# Allegro board STANDARD.brd (continued)
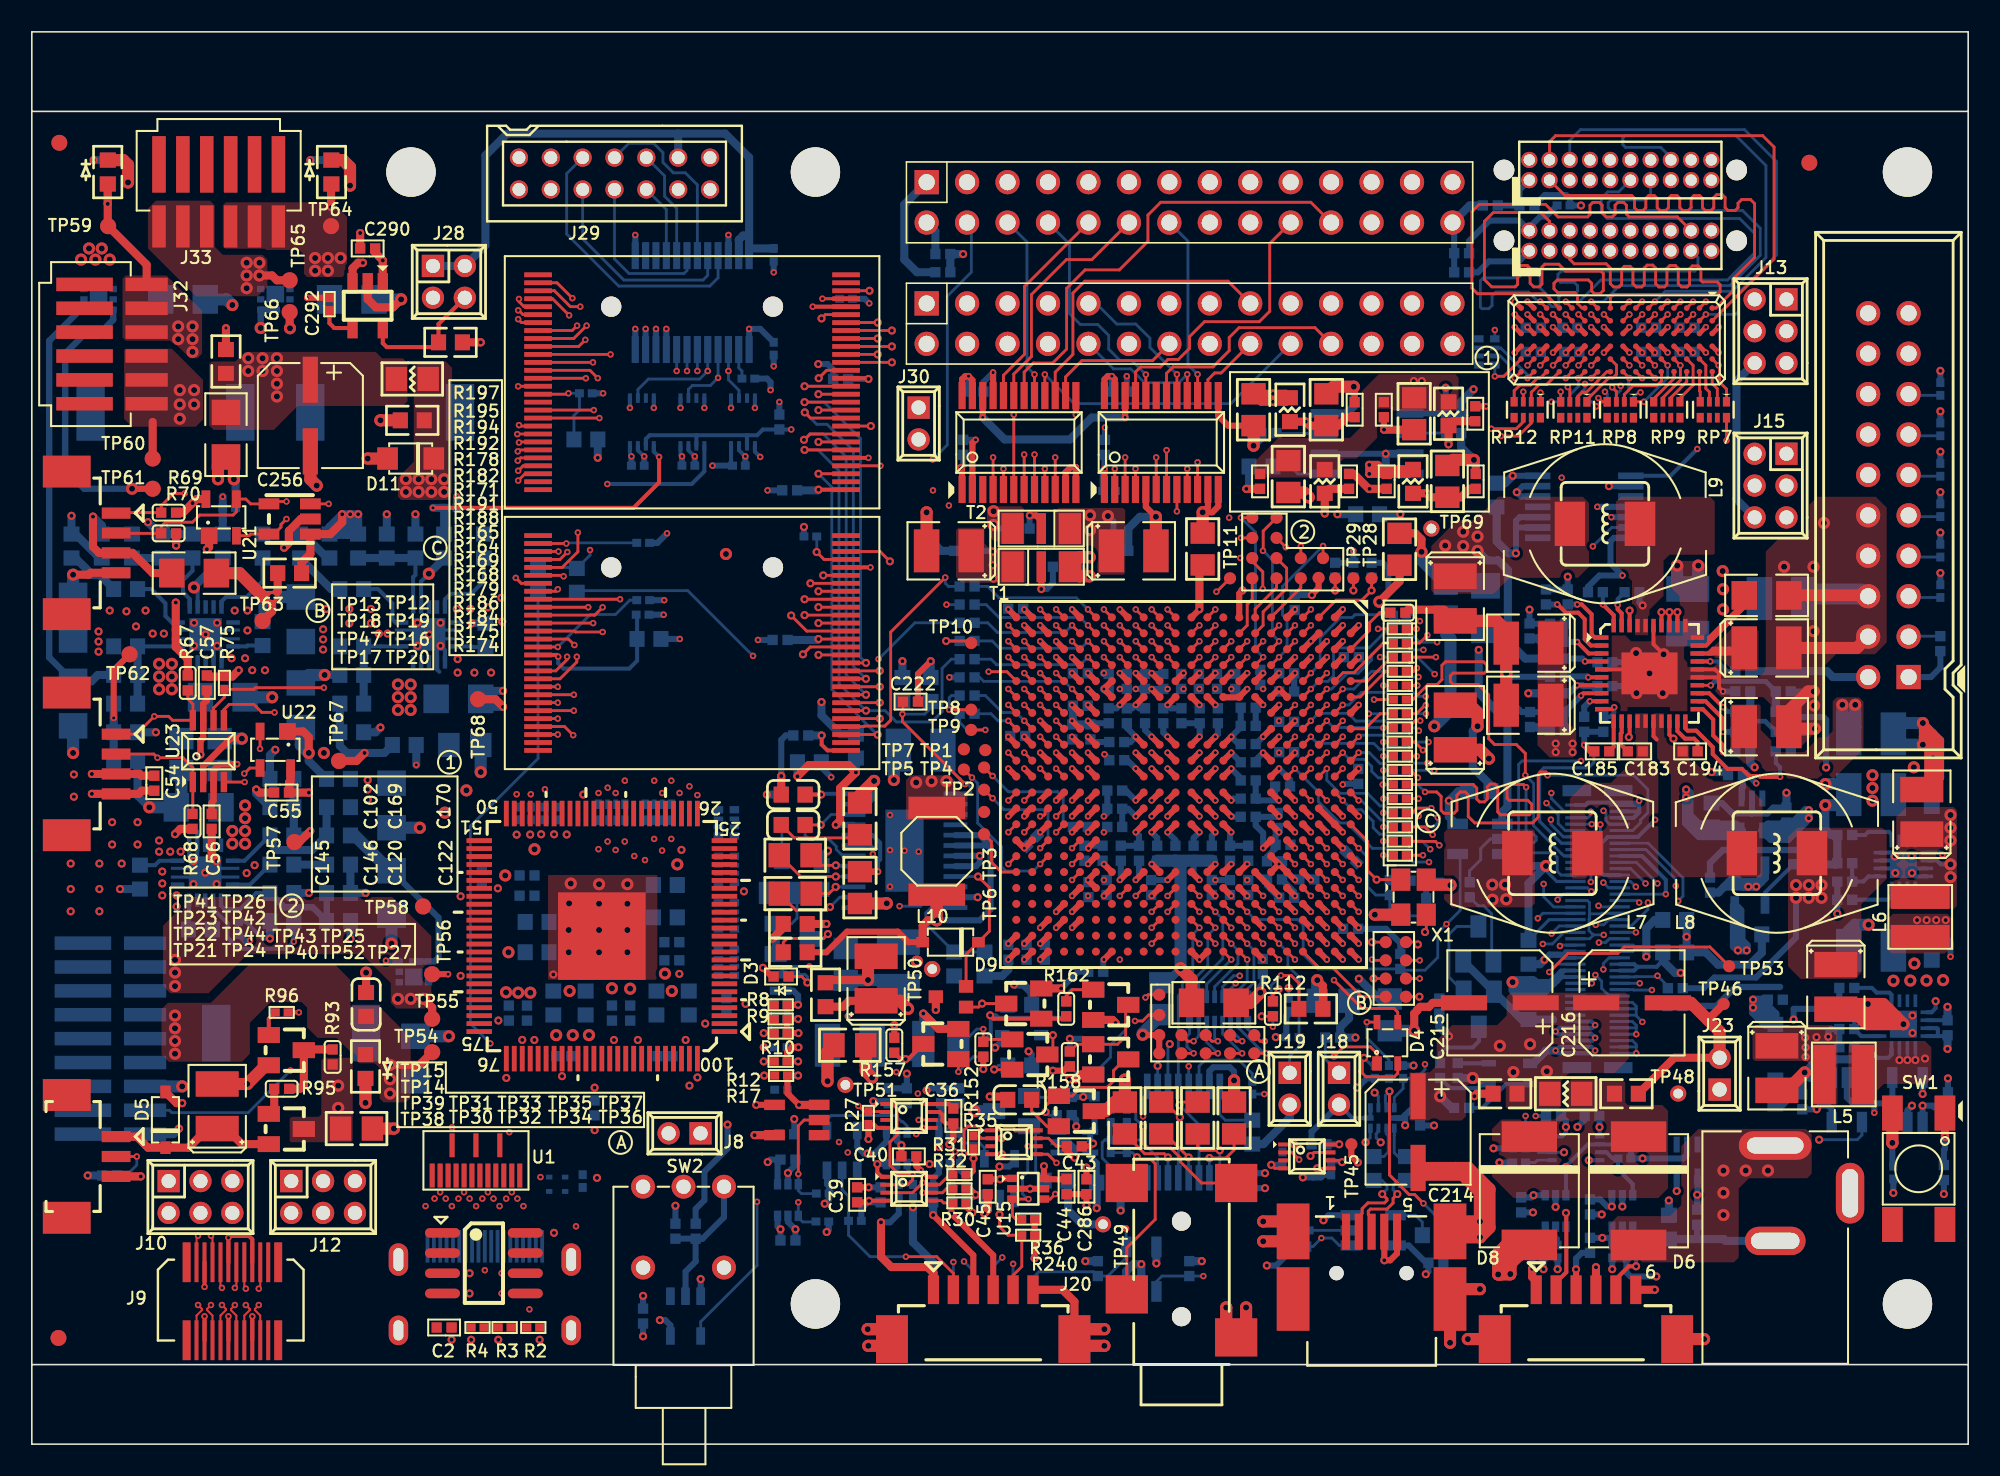
[diagram p0: board, top side]
## Routing (per net, layer and track width the routed paths; a pad name or vN(x,y) marks a point on that pad's centre or on a via; arc(x,y) is an arc through that point) (continued)
P5V: length 37.6
  TOP w0.38: R157.1 v1(54.16,26.34) ; v1(64.12,23.47) 64.79,23.47 65.06,23.73 R158.1
  4--SIG w0.508: v1(64.12,23.47) 64.12,24.46 61.68,26.89 v1(61.68,28.88)
  6-SIG w0.508: v3(119.99,37.03) 119.09,36.13 119.09,34.78 115.89,31.58 115.89,28.63 116.69,27.83 v1(119.56,27.83)
  BOTTOM w0.254: U28.13 119.85,37.17 v3(119.99,37.03) ; U29.13 119.3,27.14 119.56,27.39 v1(119.56,27.83)
  BOTTOM w0.508: v1(61.68,28.88) 62.28,28.88 62.79,28.37 R151.1 ; v2(90.79,56.13) 91.39,55.53 92.09,55.53 92.69,54.93 92.69,50.46 93.79,49.36 R126.2 ; R141.1 v1(46.16,40.81)
  vias: v2(55.53,41.58) v2(56.5,41.65) v2(57.44,41.65) v2(88.76,56.46) v2(89.89,57.33) v2(89.89,56.43) v2(90.79,57.03)
P12V_CONN: length 6.5
  TOP w0.762: D14.2 19.54,80.68 19.98,80.24 v2(19.98,79.08) ; v2(6.04,79.28) 6.04,80.38 5.74,80.68 D13.2 ; D12.2 v2(20.95,21.45)
  vias: v2(23.49,60.63) v2(23.49,59.83) v2(24.29,60.63) v2(24.29,59.83) v2(25.09,60.63) v2(25.09,59.83) v2(25.89,60.63) v2(25.89,59.83) v2(106.23,17.19) v2(106.23,15.8) v2(106.23,14.4) v2(107.63,17.19) v2(109.03,17.19)
P12V_LD:
  vias: v2(7.99,49.03) v2(7.99,48.23) v2(7.99,47.43) v2(8.79,49.03) v2(8.79,48.23) v2(8.79,47.43) v2(12.59,38.53) v2(12.59,37.73) v2(13.39,40.13) v2(13.39,39.33) v2(13.39,38.53) v2(13.39,37.73) v2(13.59,68.23) v2(13.59,67.43) v2(14.49,68.23) v2(14.49,67.43) v2(15.39,68.23) v2(15.39,67.43) v2(15.39,66.63) v2(15.39,65.83) v2(22.99,47.73) v2(22.99,46.93) v2(22.99,46.13) v2(23.79,47.73) v2(23.79,46.93) v2(23.79,46.13)
P12V_SUPPLY: length 110.4
  TOP w0.245: U33.13 100.34,44.48 v1(100.29,44.43)
  TOP w0.254: U33.33 v1(102.84,52.28) ; U33.34 v1(102.34,52.28) ; v1(103.09,44.33) 102.84,44.58 U33.18 ; U33.38 v1(100.34,52.38) ; U33.32 v1(103.34,52.28)
  TOP w0.38: v1(83.27,17.7) 82.87,18.11 TP45.1
  3-SIG w0.762: v2(19.24,22.53) v2(19.24,21.13) 19.24,19.98 21.64,17.58 21.64,10.83 22.59,9.88 24.69,9.88 25.89,8.68 30.19,8.68 31.49,9.98 34.44,9.98 37.05,12.59 74.58,12.59 76.97,14.98 82.54,14.98 87.18,19.62 87.18,20.6 v2(88.44,21.86)
  BOTTOM w0.381: U35.2 v1(85.03,62.23)
  BOTTOM w0.508: v2(88.44,21.86) 89.17,21.13 R132.1 ; C193.2 v1(85.94,58.43) ; R134.1 88.39,26.23 v1(88.99,25.63) ; U35.7 v1(85.03,62.23) 85.03,61.49 85.56,60.96 U35.8 ; R133.1 90.48,23.01 v2(90.49,23.01)
  BOTTOM w0.76: v2(113.7,46.45) 113.7,45.03 C182.1 114.51,45.03 v2(114.51,46.45)
  vias: v1(95.7,44.02) v1(95.7,43.48) v1(96.76,44.02) v1(96.76,43.48) v2(92.19,25.03) v2(93.04,23.38) v2(94.09,25.13) v2(95.14,23.43) v2(106.18,54.86) v2(106.21,53.72) v2(106.21,52.45) v2(115.59,42.03) v2(115.59,41.23) v2(115.59,40.43) v2(116.91,29.12) v2(117.97,29.13) v2(118.19,42.53) v2(118.22,30.2) v2(118.98,29.13) v2(120.03,29.16)
VBUS: length 2.6
  BOTTOM w0.178: R88.2 U26.2
VCC: length 32.8
  4--SIG w0.254: v3(101.94,39.23) 101.8,39.37 98.37,39.37 98.37,39.37 98.32,39.37 97.96,39.01 v3(97.96,38.96)
  BOTTOM w0.178: J27.P37 v3(97.96,38.96) ; J27.M7 100.76,26.96 ; 100.76,26.96 100.76,27.36 ; 100.76,26.96 100.76,26.91 v3(101.14,26.53) ; J27.M4 v3(100.76,25.76) 100.76,26.16 ; J27.M23 98.61,33.36 98.57,33.32 97.85,33.32 97.82,33.29 ; 100.76,27.36 100.76,27.52 100.52,27.76 J27.M9 ; 100.76,27.36 100.75,27.36 J27.M8 ; 100.76,24.96 100.75,24.96 J27.M2 ; 100.76,24.96 v3(100.76,24.56) J27.M1 ; 100.76,24.96 100.76,25.12 100.52,25.36 J27.M3 ; 98.08,32 98.05,32 97.79,32.26 97.79,32.99 97.82,33.02 97.82,33.29 ; 98.08,32 97.84,31.76 J27.P19 ; 98.08,32 v3(98.71,32) ; J27.M5 100.75,26.16 100.76,26.16 ; J27.P25 97.69,34.16 97.82,34.03 97.82,33.29 ; 100.76,26.16 100.76,26.32 100.52,26.56 J27.M6
  BOTTOM w0.245: J27.M29 98.73,35.76 98.57,35.91 98.57,37.77 98.96,38.16 J27.M35
  BOTTOM w0.254: 98.57,36.55 98.56,36.56 J27.P31 ; v3(101.94,39.23) 100.87,38.16 J27.M35
VDD_AUX2: length 4.3
  BOTTOM w0.381: J4.1 93.38,74.32 91.5,74.32 90.81,73.63 C22.1
A1P8V_PLLD: length 23.8
  TOP w0.381: U7.D13 v3(80.32,39.45)
  TOP w0.508: v1(81.19,58.48) FB3.2 81.47,60.03 C146.1
  6-SIG w0.381: v1(81.19,58.48) 81.19,57.52 81.66,57.06 81.66,55.9 79.82,54.06 79.82,42.24 79.82,42.24 79.82,40.66 79.82,40.65 79.82,39.95 v3(80.32,39.45)
A1P8V_PLLM: length 32.8
  TOP w0.381: U7.D14 v3(80.32,38.45)
  TOP w0.508: C170.1 89.25,64.27 FB4.2 v1(88.97,62.82)
  6-SIG w0.381: v1(88.97,62.82) 88.17,62.03 88.17,59.1 84.29,55.22 82.33,55.22 81.16,54.05 81.16,52.45 80.83,52.12 80.83,38.95 v3(80.32,38.45)
A2: length 3.1
  TOP w0.178: RP7.1 106.42,66.3 105.98,66.74 105.98,67.73 v3(105.93,67.78) U6.A5
A3: length 2
  TOP w0.178: U6.A6 105.53,66.64 105.85,66.32 RP7.2
A4: length 2.9
  TOP w0.178: RP7.3 105.35,66.11 105.13,66.33 105.13,67.78 U6.B5
A5: length 1.9
  TOP w0.178: U6.B6 104.73,66.18 104.77,66.13 104.77,65.5
A6: length 3.2
  TOP w0.178: U6.C5 104.33,67.78 104.33,66.54 103.5,65.72 RP9.1
A7: length 2.3
  TOP w0.178: U6.C6 103.93,66.75 102.93,65.75 RP9.2
A8: length 3.3
  TOP w0.178: U6.D5 v3(103.53,67.78) 103.53,66.85 102.43,65.75 RP9.3
A9: length 2.4
  TOP w0.178: RP9.4 101.85,65.68 103.13,66.96 U6.D6
B2: length 4.1
  TOP w0.178: U6.E5 v3(102.73,67.78) ; RP8.1 v3(101.24,65.5)
  BOTTOM w0.178: v3(102.73,67.78) 102.73,66.99 v3(101.24,65.5)
B3: length 3.7
  TOP w0.178: RP8.2 100.01,65.96 100.56,66.51 102.04,66.51 102.35,66.81 102.35,67.37 U6.E6
B4: length 4.9
  TOP w0.178: v3(99.25,66.41) 99.51,66.14 RP8.3 ; U6.F5 v3(101.93,67.78)
  4--SIG w0.122: v3(99.25,66.41) 99.25,66.57 100.03,67.35 101.49,67.35 v3(101.93,67.78)
B5: length 5.4
  TOP w0.178: v3(98.38,65.73) 98.39,65.73 98.62,65.5 RP8.4 ; U6.F6 v3(101.93,66.98)
  4--SIG w0.122: v3(101.93,66.98) 101.4,66.45 100.87,66.45 99.98,65.55 98.55,65.55 v3(98.38,65.73)
B6: length 5.1
  TOP w0.178: U6.G5 v3(101.13,67.78)
  4--SIG w0.122: v3(101.13,67.78) 100.76,68.15 99.86,68.15 98.79,67.08 v3(98.79,66.13)
  BOTTOM w0.178: v3(98.79,66.13) 98.93,65.99 RP10.1
B7: length 3.2
  TOP w0.178: U6.G6 v3(101.13,66.98)
  4--SIG w0.122: v3(101.13,66.98) 100.99,66.98 100.5,66.49 v3(99.78,66.49)
  BOTTOM w0.178: v3(99.78,66.49) 99.78,66.22 99.51,65.95 RP10.2
B8: length 2.2
  TOP w0.178: U6.H6 v3(100.33,66.98)
  BOTTOM w0.178: v3(100.33,66.98) 100.28,66.94 100.28,66.22 100.01,65.94 RP10.3
B9: length 3.4
  TOP w0.178: U6.H5 v3(100.33,67.78)
  6-SIG w0.122: v3(100.33,67.78) 100.76,67.35 100.76,66.35 v3(101.03,66.09)
  BOTTOM w0.178: v3(101.03,66.09) 100.9,66.09 100.58,65.77 100.58,65.5
BLU_ANODE: length 2.9
  TOP w0.508: v1(18.79,77.73) 18.79,79.15 D14.1
  BOTTOM w0.508: R223.2 v1(18.79,77.73)
  vias: v2(17.79,74.53) v2(17.79,73.73) v2(18.59,74.53) v2(18.59,73.73) v2(19.39,74.53)
BLU_CATHODE: length 2
  TOP w0.508: v2(14.29,73.43) 15.09,73.43 15.39,73.13 TP65.1
  vias: v2(13.49,74.23) v2(13.49,73.43) v2(13.49,72.63) v2(14.29,74.23)
BLU_LED_EN: length 19.6
  TOP w0.254: v3(25.19,58.83) 37.79,58.83 39.39,60.43 v3(39.39,62.03)
  BOTTOM w0.254: v3(39.39,62.03) 39.06,62.36 U43.5
  BOTTOM w0.5: R227.2 25.89,58.83 R238.1 v3(25.19,58.83)
BLU_LED_EN_CON: length 11.5
  BOTTOM w0.178: J29.7 37.48,81.73 39.05,81.73 39.63,81.15 39.63,80.54 40.29,79.88 41.04,79.88 41.79,79.13 U42.19
BLU_LED_PWM_CON: length 4.7
  BOTTOM w0.178: J29.10 39.84,77.58 U42.16
BYTE: length 2.6
  TOP w0.178: U19.53 v3(49.65,71.97)
  BOTTOM w0.178: R49.2 49.66,71.96 v3(49.65,71.97)
BYTE_2: length 3
  TOP w0.178: U20.53 49.75,55.59 v1(49.29,56.05)
  BOTTOM w0.178: v1(49.29,56.05) 49.29,56.06 R52.2
C2: length 3.8
  TOP w0.178: RP11.1 97.66,65.62 99.03,66.99 99.29,66.99 99.52,67.22 99.52,67.79 U6.J5
C3: length 3
  TOP w0.178: U6.J6 98.92,67.38 98.35,66.81 98.35,66.81 97.64,66.1 97.37,66.1 97.09,65.81 RP11.2
C4: length 3.8
  TOP w0.178: RP11.3 96.59,66.29 96.45,66.42 v3(96.46,66.42) ; U6.K5 v3(97.93,67.78)
  4--SIG w0.122: v3(97.93,67.78) 97.53,67.38 96.99,67.38 96.73,67.13 96.73,66.7 v3(96.46,66.42)
C5: length 3.9
  TOP w0.178: RP11.4 v3(96.01,66.13) ; U6.K6 v3(97.93,66.98)
  4--SIG w0.122: v3(96.01,66.13) 96.15,65.99 97.44,65.99 97.93,66.47 v3(97.93,66.98)
C6: length 4.5
  TOP w0.178: U6.L5 v3(97.13,67.78)
  4--SIG w0.122: v3(97.13,67.78) 96.84,67.78 96.48,67.42 96.19,67.42 95.43,66.66 v3(95.43,65.5)
  BOTTOM w0.178: RP14.1 v3(95.43,65.5)
C7: length 2.3
  TOP w0.178: U6.L6 v3(97.13,66.98)
  BOTTOM w0.178: 96.59,65.5 96.59,65.93 97.12,66.46 97.12,66.79 97.13,66.8 v3(97.13,66.98)
C8: length 3.8
  TOP w0.178: U6.M5 v3(96.33,67.78)
  6-SIG w0.122: v3(96.33,67.78) 96.73,67.38 97.24,67.38 97.27,67.35 97.28,67.35 97.54,67.09 v3(97.54,66.62)
  BOTTOM w0.178: 97.09,65.5 97.09,65.88 97.54,66.33 v3(97.54,66.62)
C9: length 3.9
  TOP w0.178: U6.M6 v3(96.33,66.98)
  6-SIG w0.122: v3(98.25,65.21) 96.48,66.98 v3(96.33,66.98)
  BOTTOM w0.178: RP14.4 97.97,65.5 v3(98.25,65.21)
D_BUS: length 8.4
  TOP w0.178: U7.D5 v3(80.32,48.45)
  BOTTOM w0.178: v3(80.32,48.45) 80.9,49.03 80.9,50.66 82.18,51.94 82.92,51.94 83.09,52.12 R196.2
D_D00: length 3.1
  TOP w0.178: R191.2 84.67,45.89 83.72,44.95 U7.A8
D_D01: length 6.7
  TOP w0.178: U7.B8 v3(82.32,45.45)
  3-SIG w0.122: v3(83.96,45.89) 85.13,45.89 85.22,45.81 85.22,45.56 85.11,45.45 v3(82.32,45.45)
  BOTTOM w0.178: R190.2 v3(83.96,45.89)
D_D02: length 5.1
  TOP w0.178: R188.2 v3(84.87,45.01) ; U7.C8 v3(81.32,45.45)
  BOTTOM w0.178: v3(84.87,45.01) 84.85,45.03 82.5,45.03 81.74,45.03 v3(81.32,45.45)
D_D03: length 6.5
  TOP w0.178: U7.D8 v3(80.32,45.45)
  BOTTOM w0.178: R187.2 85.08,45.44 83.14,45.44 82.66,45.92 80.79,45.92 v3(80.32,45.45)
D_D04: length 5.2
  TOP w0.178: R186.2 v3(84.87,39.67) ; U7.B11 v3(82.32,42.45)
  6-SIG w0.122: v3(84.87,39.67) 82.32,42.22 v3(82.32,42.45)
D_D05: length 6.5
  TOP w0.178: U7.C11 v3(81.32,42.45)
  BOTTOM w0.178: R185.2 85.08,40.1 84.67,40.1 83.88,40.89 82.15,40.89 81.32,41.72 v3(81.32,42.45)
D_D06: length 8.3
  TOP w0.178: U7.D11 v3(80.32,42.45) ; R184.2 v3(84.87,38.78)
  3-SIG w0.122: v3(84.87,38.78) 83.77,39.88 81.34,39.88 80.89,40.33 80.89,40.93 80.32,41.5 v3(80.32,42.45)
D_D07: length 9.5
  TOP w0.178: U7.E11 v3(79.32,42.45)
  BOTTOM w0.178: v3(79.32,42.45) 80.79,40.98 80.79,40.38 82.14,39.03 82.59,39.03 84.18,37.44 85.08,37.44 R183.2
D_D08: length 5.4
  TOP w0.178: R182.2 v3(84.87,47.67) ; U7.C7 v3(81.32,46.45)
  3-SIG w0.122: v3(84.87,47.67) 83.88,47.67 83.07,46.86 81.73,46.86 v3(81.32,46.45)
D_D09: length 4.9
  TOP w0.178: U7.B10 v3(82.32,43.45)
  BOTTOM w0.178: R181.2 85.09,41.87 84.55,41.87 84.14,42.28 84.14,42.58 83.69,43.03 82.74,43.03 v3(82.32,43.45)
D_D10: length 8
  TOP w0.178: U7.E7 v3(79.32,46.45)
  3-SIG w0.122: v3(84.66,49.45) 81.62,47.98 81.24,47.98 80.84,47.58 80.84,47.33 80.45,46.94 79.81,46.94 v3(79.32,46.45)
  BOTTOM w0.178: R180.2 85.51,49.45 v3(84.66,49.45)
D_D11: length 7.4
  TOP w0.178: R179.2 v3(84.87,40.56) ; U7.D10 v3(80.32,43.45)
  3-SIG w0.122: v3(84.87,40.56) 83.47,41.96 81.26,41.96 80.84,42.38 80.84,42.93 v3(80.32,43.45)
D_D12: length 3.4
  TOP w0.178: U7.A6 83.41,46.95 85.02,48.56 R178.2
D_D13: length 3.6
  TOP w0.178: U7.A12 v3(83.32,40.45)
  BOTTOM w0.178: v3(83.32,40.45) 83.48,40.45 84.72,39.21 85.08,39.21 R177.2
D_D14: length 5.2
  TOP w0.178: U7.B12 v3(82.32,40.45)
  BOTTOM w0.178: v3(82.32,40.45) 82.9,39.87 83.5,39.87 84.24,39.13 84.24,38.73 84.64,38.32 85.08,38.32 R176.2
D_D15: length 6.3
  TOP w0.178: R175.2 v3(84.87,37.89) ; U7.C12 v3(81.32,40.45)
  6-SIG w0.122: v3(84.87,37.89) 83.78,38.98 82.14,38.98 81.32,39.8 v3(81.32,40.45)
D_D16: length 8.2
  TOP w0.178: U7.D12 v3(80.32,40.45) ; R174.2 v3(84.87,37)
  3-SIG w0.122: v3(80.32,40.45) 80.32,40.1 80.79,39.64 80.79,39.38 81.14,39.03 83.69,39.03 84.34,38.38 84.34,37.54 v3(84.87,37)
D_D17: length 4.4
  TOP w0.178: U7.B7 v3(82.32,46.45)
  BOTTOM w0.178: v3(82.32,46.45) 82.71,46.45 83.5,47.24 85.08,47.24 R173.2
D_D18: length 3.4
  TOP w0.178: U7.A10 v3(83.32,43.45)
  BOTTOM w0.178: v3(83.32,43.45) 83.99,43.45 84.67,42.77 85.08,42.77 R172.2
D_D19: length 6.4
  TOP w0.178: R171.2 v3(84.29,46.78) ; U7.D7 v3(80.32,46.45)
  3-SIG w0.122: v3(84.29,46.78) 83.53,46.03 80.74,46.03 v3(80.32,46.45)
D_D20: length 4.4
  TOP w0.178: U7.B6 v3(82.32,47.45)
  BOTTOM w0.178: R170.2 84.14,48.56 83.02,47.45 v3(82.32,47.45)
D_D21: length 8
  TOP w0.178: U7.E9 v3(79.32,44.45) ; R169.2 v3(84.87,42.34)
  3-SIG w0.122: v3(84.87,42.34) 84.14,43.07 84.14,43.48 83.76,43.86 79.92,43.86 v3(79.32,44.45)
D_D22: length 5.7
  TOP w0.178: U7.C10 v3(81.32,43.45) ; R168.2 v3(84.84,41.45)
  3-SIG w0.122: v3(81.32,43.45) 81.69,43.08 83.21,43.08 83.69,42.6 v3(84.84,41.45)
D_D23: length 6.3
  TOP w0.178: U7.C6 v3(81.32,47.45)
  BOTTOM w0.178: v3(81.32,47.45) 81.63,47.45 82.61,48.43 83.29,48.43 84.14,49.28 84.14,49.63 84.85,50.34 R167.2
D_DCLK: length 3.1
  TOP w0.178: U7.A9 v3(83.32,44.45)
  BOTTOM w0.178: v3(83.32,44.45) 83.42,44.55 85.08,44.55 R166.2
D_LOADB: length 4.4
  TOP w0.178: U7.B9 v3(82.32,44.45) ; R165.2 v3(84.87,44.12)
  3-SIG w0.122: v3(84.87,44.12) 84.11,44.88 82.76,44.88 v3(82.32,44.45)
D_OEZ: length 4.7
  TOP w0.178: R194.2 84.9,50.34 83.04,48.48 82.36,48.48 U7.B5
D_SACBUS: length 8.4
  TOP w0.178: U7.D6 v3(80.32,47.45)
  BOTTOM w0.178: R193.2 85.18,51.23 83.98,50.03 81.98,50.03 81.74,49.8 81.74,48.28 81.39,47.93 80.8,47.93 v3(80.32,47.45)
D_SACCLK: length 3.3
  TOP w0.178: U7.A5 83.88,47.95 85.38,49.45 R192.2
D_SCTRL: length 5.5
  TOP w0.178: R164.2 v3(84.87,43.23) ; U7.C9 v3(81.32,44.45)
  3-SIG w0.122: v3(81.32,44.45) 81.69,44.08 84.24,44.08 84.87,43.45 v3(84.87,43.23)
D_STRB: length 6.2
  TOP w0.178: R195.2 v3(84.54,51.23) ; U7.C5 v3(81.32,48.45)
  3-SIG w0.122: v3(84.54,51.23) 84.49,51.23 82.81,49.55 82.81,49.37 81.89,48.45 v3(81.32,48.45)
D_TRC: length 6.4
  TOP w0.178: U7.D9 v3(80.32,44.45)
  BOTTOM w0.178: R163.2 85.08,43.66 84.64,43.66 84.27,44.03 80.74,44.03 v3(80.32,44.45)
DAT_N: length 34.6
  TOP w0.183: U7.E3 v3(79.32,50.45)
  4--SIG w0.12: v3(79.32,50.45) 79.32,50.7 79.46,50.84 79.58,50.84 79.7,50.72 79.7,41.43 80.28,40.85 82.47,40.85 82.7,40.62 82.7,26.72 84.68,24.75 84.68,22.54 84.33,22.19 v1(84.33,22.09)
  BOTTOM w0.183: U27.7 84.56,21.86 v1(84.33,22.09)
DAT_P: length 45.8
  TOP w0.183: U7.E2 v3(79.32,51.45) ; v3(87.39,15.13) 86.83,15.69 86.49,15.69 85.26,16.92 v1(85.26,22.17)
  4--SIG w0.12: v1(85.26,22.17) 84.9,22.53 84.9,24.84 82.92,26.82 82.92,40.71 82.56,41.07 80.38,41.07 79.92,41.52 79.92,50.81 79.67,51.06 79.41,51.06 79.32,51.15 v3(79.32,51.45)
  BOTTOM w0.183: R89.1 88.82,13.7 v3(87.39,15.13) ; v1(85.26,22.17) 85,21.92 85,21.47 85.06,21.41 U27.8
DMD_D00: length 28.1
  TOP w0.178: R191.1 86.95,45.89 87.49,46.43 v3(87.54,46.43)
  4--SIG w0.122: v3(87.54,46.43) 91.68,46.43 94.56,43.54 95.04,43.54 96.89,41.7 96.89,38.87 97.41,38.34 98.79,38.34 100.52,36.62 100.52,36.44 100.34,36.27 100.17,36.27 98.64,37.81 98.44,37.81 98.27,37.63 98.27,37.51 100.73,35.05 v3(100.73,35.02)
  BOTTOM w0.178: v3(100.73,35.02) 100.4,35.36 J27.M28
DMD_D01: length 24.6
  3-SIG w0.122: v3(87.55,45.89) 89.22,45.89 90.74,44.37 93.2,44.37 94.82,42.75 95.48,42.75 96.76,41.47 97.65,41.47 100.06,39.06 100.06,36.6 99.88,36.42 99.55,36.42 99.4,36.27 99.4,35.98 99.52,35.86 100.35,35.86 100.47,35.74 100.47,35.43 100.32,35.28 v3(98.69,35.28)
  BOTTOM w0.178: J27.M27 99.02,34.96 v3(98.69,35.28) ; R190.1 v3(87.55,45.89)
DMD_D02: length 26.6
  TOP w0.178: R188.1 86.42,45.01 86.87,45.46 v3(87.19,45.46)
  4--SIG w0.122: v3(100.94,34.03) 98.84,34.03 98.72,34.15 98.72,34.37 98.87,34.51 100.14,34.51 100.26,34.64 100.26,34.83 100.11,34.99 99.28,34.99 99.1,35.18 99.1,36.01 96.43,38.68 96.43,41.63 95.03,43.02 94.5,43.02 91.84,45.68 87.85,45.68 87.63,45.46 v3(87.19,45.46)
  BOTTOM w0.178: J27.M25 100.81,34.16 v3(100.94,34.03)
DMD_D03: length 25
  4--SIG w0.122: v3(98.38,33.83) 98.32,33.9 98.32,36.05 96.02,38.35 96.02,41.42 95.82,41.63 94.98,41.63 94.75,41.4 94.75,39.98 94.63,39.85 94.35,39.85 94.22,39.98 94.22,42.72 92.41,44.53 87.4,44.53 v3(87.11,44.83)
  BOTTOM w0.178: v3(87.11,44.83) 86.93,45.01 R187.1 ; v3(98.38,33.83) 98.46,33.76 J27.M24
DMD_D04: length 26.3
  TOP w0.178: R186.1 86.69,39.67 86.98,39.96 v3(87.89,39.96)
  4--SIG w0.122: v3(102.09,35.23) 101.89,35.03 101.89,33.91 101.44,33.46 95.96,33.46 94.97,34.45 94.97,34.63 91.55,38.05 89.82,38.05 89.66,38.21 89.66,39.71 89.52,39.85 89.22,39.85 89.09,39.72 89.09,38.63 88.99,38.53 88.78,38.53 88.66,38.66 88.66,39.77 88.47,39.96 v3(87.89,39.96)
  BOTTOM w0.178: J27.M31 100.76,36.56 v3(102.09,35.23)
DMD_D05: length 25.2
  3-SIG w0.122: v3(101.34,35.23) 101.34,34.88 101.05,34.59 98.74,34.59 98.31,35.02 98.31,35.66 96.91,37.05 95.03,37.05 94.06,36.08 92.55,36.08 92.42,36.2 92.42,36.53 92.3,36.65 92.06,36.65 91.94,36.53 91.94,36.2 91.81,36.08 91.57,36.08 91.45,36.2 91.45,36.53 91.33,36.65 91.08,36.65 90.96,36.53 90.96,36.2 90.84,36.08 90.6,36.08 90.47,36.2 90.47,36.55 90.35,36.67 90.11,36.67 89.99,36.55 89.99,36.2 89.86,36.08 87.54,36.08 87,36.63 87,39.39 v3(87.09,39.48)
  BOTTOM w0.178: v3(87.09,39.48) 86.9,39.67 R185.1 ; J27.M30 100.41,36.16 v3(101.34,35.23)
DMD_D06: length 25.8
  TOP w0.178: R184.1 87.48,38.78 v3(87.97,38.29)
  4--SIG w0.122: v3(103.24,35.08) 103.24,34.54 101.94,33.24 95.65,33.24 91.32,37.56 90.25,37.56 90.12,37.44 90.12,37.13 90,37 89.76,37 89.64,37.13 89.64,37.44 88.79,38.29 v3(87.97,38.29)
  BOTTOM w0.178: J27.M33 101.36,37.36 103.24,35.48 v3(103.24,35.08)
DMD_D07: length 25.6
  4--SIG w0.122: v3(87.74,36.57) 91.93,36.57 95.49,33.02 102.28,33.02 v3(103.39,34.13)
  BOTTOM w0.178: v3(103.39,34.13) 103.69,34.43 103.69,35.58 101.51,37.76 J27.M34 ; v3(87.74,36.57) 86.75,36.57 R183.1
DMD_D08: length 27.7
  TOP w0.178: R182.1 v3(87.01,47.67)
  3-SIG w0.122: v3(87.01,47.67) 86.09,46.76 86.09,36.37 88.48,33.98 89.5,33.98 90.84,32.63 v3(98.21,32.63)
  BOTTOM w0.178: v3(98.21,32.63) 98.18,32.63 98.18,32.64 98.71,32.64 99.04,32.96 J27.M22
DMD_D09: length 26.3
  TOP w0.178: v3(87.49,40.98) 88.22,40.98 88.5,40.7 88.5,39.82 88.68,39.65 89.32,39.65 89.49,39.82 89.49,40.78 89.7,40.98 90.01,40.98 90.21,40.79 90.21,39.44 90.61,39.04 94.24,39.04 94.6,39.39 94.6,42.08 94.75,42.24 95.08,42.24 95.19,42.13 v3(95.19,42.03)
  BOTTOM w0.178: J27.M36 100.53,38.56 101.04,39.07 101.04,39.23 101.48,39.67 101.48,41.14 100.59,42.03 v3(95.19,42.03) ; R181.1 87.02,41.45 v3(87.49,40.98)
DMD_D10: length 25.7
  3-SIG w0.122: v3(88.1,48.38) 95.19,43.3 95.44,43.12 98.09,41.51 100.26,39.34 100.84,37.9 101.71,35.71 101.71,34.25 v3(101.49,34.03)
  BOTTOM w0.178: J27.M21 100.44,32.56 101.49,33.61 v3(101.49,34.03) ; R180.1 87.02,49.45 88.09,48.38 v3(88.1,48.38)
DMD_D11: length 24.6
  TOP w0.178: v3(87.09,40.56) R179.1
  3-SIG w0.122: v3(87.09,40.56) 87.09,41.16 87.09,41.28 87.23,41.42 87.59,41.42 87.74,41.58 87.74,42.08 87.51,42.31 86.73,42.31 86.62,42.41 86.62,42.69 86.75,42.82 87.13,42.82 88.2,43.89 88.2,44.45 88.64,44.89 89.84,44.89 89.97,44.77 89.97,44.52 89.84,44.4 88.69,44.4 88.56,44.28 88.56,44.03 88.69,43.91 93.23,43.91 94.75,42.4 95.35,42.4 96.73,41.02 97.72,41.02 98.7,40.04 v3(98.7,39.8)
  BOTTOM w0.178: v3(98.7,39.8) 98.86,39.64 98.86,39.17 99.07,38.96 J27.M37
DMD_D12: length 28.3
  TOP w0.178: R178.1 86.78,48.56 v3(86.98,48.76)
  4--SIG w0.122: v3(86.98,48.76) 86.6,48.38 86.6,36.83 91.48,31.95 95.01,31.95 95.24,31.71 98.21,31.71 v3(98.41,31.52)
  BOTTOM w0.178: v3(98.41,31.52) 98.83,31.52 98.86,31.55 98.86,31.55 98.98,31.67 98.99,31.67 99.07,31.76 J27.M19
DMD_D13: length 27.7
  3-SIG w0.122: v3(95.42,40.92) 93.99,40.92 93.99,40.91 93.05,40.91 92.09,41.88 89.48,41.88 89.36,41.76 89.36,41.52 89.48,41.39 92.07,41.39 92.22,41.25 92.22,41 92.12,40.91 89.68,40.91 89.56,40.78 89.56,40.54 89.68,40.42 90.88,40.42 91,40.3 91,40.05 90.88,39.93 88.65,39.93 88.45,40.13 88.45,40.64 88.62,40.8 88.62,41.76 88.5,41.88 88.17,41.88 88.04,41.74 88.04,40.88 87.49,40.33 87.49,39.59 87.7,39.38 v3(88.29,39.38)
  BOTTOM w0.178: v3(88.29,39.38) 88.29,39.03 88.04,38.78 R177.1 ; v3(95.42,40.92) 95.42,40.57 96.23,39.76 J27.P39
DMD_D14: length 26.4
  3-SIG w0.122: v3(97.9,39.74) 95.32,39.74 94.8,39.21 94.8,37.84 94.23,37.26 89.27,37.26 89.14,37.39 89.14,37.63 89.27,37.75 94.01,37.75 94.13,37.87 94.13,38.12 94.01,38.24 88.9,38.24 88.76,38.1 88.76,37.44 88.58,37.26 87.94,37.26 v3(87.82,37.39)
  BOTTOM w0.178: v3(87.82,37.39) 87.31,37.89 R176.1 ; v3(97.9,39.74) 97.9,39.54 97.72,39.36 J27.P38
DMD_D15: length 27.4
  TOP w0.178: v3(88.39,37.63) 88.15,37.87 86.33,37.87 R175.1
  3-SIG w0.122: v3(95.12,40.28) 94.24,40.28 94.12,40.15 94.12,39.16 94,39.04 93.71,39.04 93.61,39.14 93.61,40.46 93.48,40.59 93.23,40.59 93.13,40.48 93.13,39.16 93,39.04 92.72,39.04 92.59,39.16 92.59,40.33 92.44,40.48 92.14,40.48 91.98,40.33 91.98,38.91 91.68,38.6 89.08,38.6 88.98,38.7 88.98,38.94 89.13,39.09 91.23,39.09 91.35,39.21 91.35,39.46 91.23,39.58 89,39.58 88.61,39.19 88.61,39.04 88.38,38.81 87.51,38.81 87.34,38.63 87.34,38.05 87.49,37.89 88.13,37.89 v3(88.39,37.63)
  BOTTOM w0.178: v3(95.12,40.28) 95.85,39.54 95.85,38.99 96.29,38.56 J27.P36
DMD_D16: length 23.4
  TOP w0.178: R174.1 v3(87.36,37)
  3-SIG w0.122: v3(95.4,39.24) 97.19,39.24 97.35,39.08 97.35,37.57 97.23,37.45 96.98,37.45 96.86,37.57 96.86,38.73 96.74,38.85 96.49,38.85 96.37,38.73 96.37,37.59 96.25,37.47 96.01,37.47 95.89,37.59 95.89,38.68 95.76,38.8 95.52,38.8 95.4,38.68 95.4,37.95 94.45,37 89.67,37 89.52,36.85 89.52,36.5 89.42,36.39 89.24,36.39 89.11,36.52 89.11,36.88 88.99,37 88.78,37 88.66,36.88 88.66,36.52 88.53,36.39 88.32,36.39 88.2,36.52 88.2,36.85 88.05,37 v3(87.36,37)
  BOTTOM w0.178: v3(95.4,39.24) 95.4,38.95 96.19,38.16 J27.P35
DMD_D17: length 26.9
  3-SIG w0.122: v3(87.54,46.99) 86.34,45.79 86.34,36.5 88.36,34.48 89.61,34.48 90,34.08 90.23,34.08 90.36,34.22 90.36,35.12 90.51,35.28 90.84,35.28 90.99,35.12 90.99,33.83 91.3,33.53 94.09,33.53 v3(94.57,33.04)
  BOTTOM w0.178: J27.P23 94.89,33.36 v3(94.57,33.04) ; R173.1 87,46.99 v3(87.54,46.99)
DMD_D18: length 28.7
  3-SIG w0.122: v3(98.5,38.93) 98.5,38.51 98.61,38.4 99.22,38.4 99.34,38.52 99.34,39.2 99.12,39.42 98.49,39.42 98.33,39.57 98.33,39.98 97.72,40.59 96.58,40.59 95.51,41.65 92.82,41.65 92.67,41.8 92.67,42.36 92.82,42.52 93.46,42.52 93.58,42.64 93.58,43.1 93.41,43.28 92.26,43.28 92.11,43.13 92.11,42.47 91.98,42.34 88.66,42.34 88.56,42.43 88.56,42.68 88.71,42.83 90.64,42.83 90.76,42.95 90.76,43.19 90.64,43.31 88.29,43.31 88.07,43.1 v3(88.07,42.34)
  BOTTOM w0.178: R172.1 v3(88.07,42.34) ; J27.P33 97.58,37.36 98.5,38.28 v3(98.5,38.93)
DMD_D19: length 26.2
  TOP w0.178: R171.1 86.73,46.78 87.68,47.74 88.25,47.74 88.55,48.04 88.55,48.94 88.77,49.16 91.16,49.16 91.37,48.95 91.37,48.6 91.22,48.45 89.26,48.45 89.08,48.27 89.08,47.91 89.26,47.74 90.83,47.74 91.49,47.08 91.49,44.33 91.86,43.96 93.23,43.96 93.79,43.4 v3(93.79,42.03)
  BOTTOM w0.178: J27.P32 96.22,36.96 96.09,37.09 96.08,37.09 94.31,38.85 94.31,41.51 v3(93.79,42.03)
DMD_D20: length 26.9
  3-SIG w0.122: v3(87.08,48.21) 86.98,48.21 85.84,47.06 85.84,35.78 88.14,33.48 89.31,33.48 90.54,32.25 94.7,32.25 95.65,31.3 v3(95.96,31.3)
  BOTTOM w0.178: J27.P18 96.04,31.36 95.98,31.3 v3(95.96,31.3) ; R170.1 86.67,48.21 v3(87.08,48.21)
DMD_D21: length 26.5
  TOP w0.178: v3(87.04,41.88) 86.58,42.34 R169.1
  3-SIG w0.122: v3(97.9,35.33) 97.37,35.33 97.22,35.48 97.22,36.25 97.09,36.37 96.8,36.37 96.71,36.27 96.71,34.67 96.58,34.54 96.37,34.54 96.24,34.67 96.24,36.58 96.12,36.7 95.88,36.7 95.76,36.58 95.76,35.85 95.63,35.73 93.83,35.73 93.71,35.61 93.71,35.02 93.59,34.9 93.35,34.9 93.22,35.02 93.22,35.61 93.1,35.73 87.49,35.73 86.66,36.56 86.66,41.5 v3(87.04,41.88)
  BOTTOM w0.178: J27.P30 97.78,36.16 97.91,36.02 97.91,35.36 97.9,35.35 v3(97.9,35.33)
DMD_D22: length 25.6
  TOP w0.178: v3(93.84,41.28) 93.67,41.45 92.82,41.45 92.64,41.27 92.64,40.59 92.77,40.46 93.94,40.46 94.19,40.2 94.19,39.7 94.04,39.54 92.24,39.54 92.06,39.72 92.06,41.3 91.88,41.47 91.58,41.47 91.4,41.3 91.4,40.53 91.22,40.36 90.92,40.36 90.74,40.53 90.74,41.22 90.51,41.45 R168.1
  BOTTOM w0.178: J27.P29 96.02,35.76 95.79,35.99 95.79,36.87 95.5,37.16 93.58,37.16 93.43,37.31 93.43,37.61 93.61,37.79 94.32,37.79 94.47,37.94 94.47,38.16 94.31,38.32 94.07,38.32 93.84,38.55 v3(93.84,41.28)
DMD_D23: length 28
  4--SIG w0.122: v3(87.39,49.91) 86.37,48.89 86.37,36.6 91.54,31.43 v3(94.89,31.43)
  BOTTOM w0.178: J27.P20 96.22,32.16 95.49,31.43 v3(94.89,31.43) ; R167.1 86.75,49.91 v3(87.39,49.91)
DMD_DAD_BUS: length 36.5
  3-SIG w0.122: v3(101.74,28.54) 101.8,28.54 102.65,29.39 102.65,31.57 104.05,32.97 104.05,38.76 91.09,51.72 v3(87.17,51.72)
  BOTTOM w0.178: J27.M11 100.57,28.56 100.6,28.53 101.74,28.53 v3(101.74,28.54) ; R196.1 86.74,52.12 87.14,51.72 v3(87.17,51.72)
DMD_DAD_OEZ: length 38.8
  TOP w0.178: v3(87.64,50.83) 87.15,50.34 R194.1
  3-SIG w0.122: v3(102.09,29.43) 102.09,31.51 103.77,33.19 103.77,38.6 93.33,49.04 90.36,49.04 89.28,50.12 89.28,50.27 89.45,50.44 89.62,50.44 90.03,50.03 90.15,50.03 90.37,50.25 90.37,50.41 89.95,50.83 v3(87.64,50.83)
  BOTTOM w0.178: R189.2 102.74,28.78 v3(102.09,29.43) 102.04,29.38 100.8,29.38 100.79,29.36 100.64,29.36 100.63,29.36 J27.M13
DMD_DAD_STRB: length 38.3
  TOP w0.178: R195.1 v3(86.95,51.23)
  3-SIG w0.122: v3(97.96,28.96) 96.04,30.88 92.38,30.88 92.26,31 92.26,31.25 92.38,31.37 94.05,31.37 94.17,31.49 94.17,31.74 94.05,31.86 91.89,31.86 91.77,31.74 91.77,31 91.65,30.88 91.35,30.88 89.09,33.14 88.07,33.14 85.58,35.63 85.58,49.86 v3(86.95,51.23)